# Altium PCB Edison_arduino_5_0826.PcbDoc (part 4 of 6)
Units mm, origin at the board's own origin, x right, y up, seen from the top; angles counter-clockwise.
Board outline 122.25 x 72.01 mm, 4 copper layers (TOP, GND, PWR_GND, BOTTOM), stack 1.567 mm thick; 365 components, 239 nets, 1187 pads, 660 vias.
Unrouted connection lines stored in the file: 40.
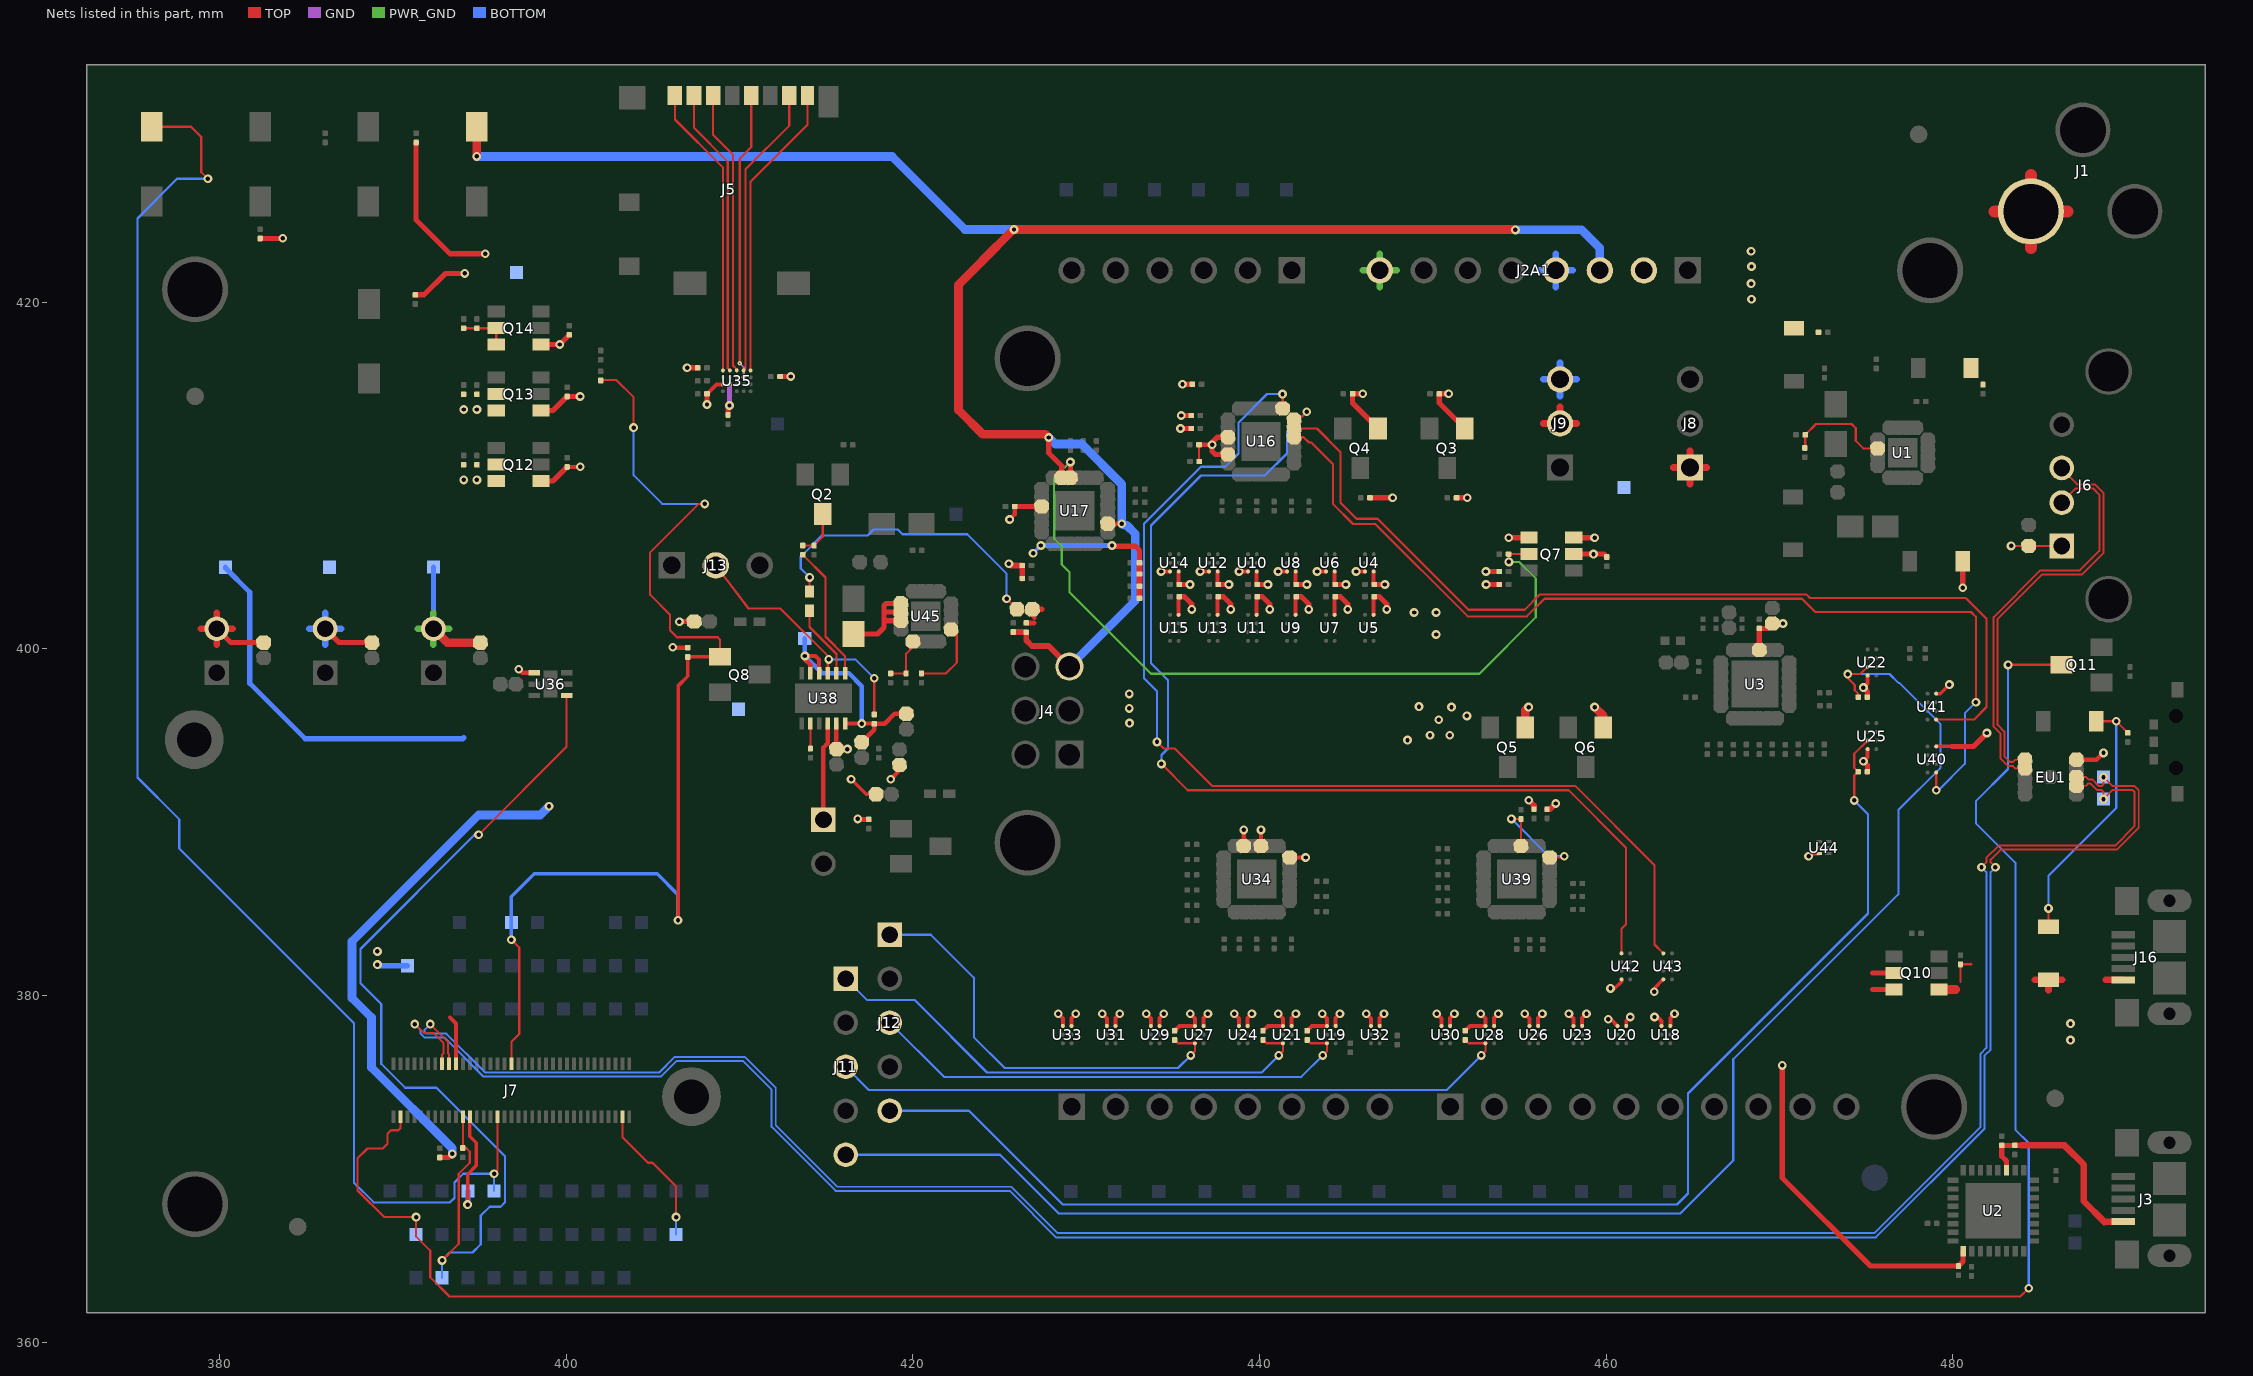
[diagram p6: the nets of this part, all layers, seen from the top]

## Via types
v1: diameter 0.508, hole 0.254, TOP to BOTTOM, 643 vias
v2: diameter 0.254, hole 0.102, TOP to GND, 11 vias
v3: diameter 0.66, hole 0.356, TOP to BOTTOM, 5 vias
v4: diameter 0.483, hole 0.203, TOP to BOTTOM, 1 vias

## Nets (pads, with @x,y where several pads share a name; then routed paths per layer and width w, separated by ;. In a path a pad name is that pad's centre, name@x,y a point inside that pad or via, vN(x,y) a via of type N, cw(c..) or ccw(c..) an arc to the next point about the centre after c; other vN are vias at no path point) (continued)
N30331321: C8.1 R81.2 R115.2 TP84.1 U38.4 U38.5 U38.12 | length 15.1
  TOP w0.25: U38.5@414.087,398.606 414.087,399.087 413.768,399.407 v1(413.768,399.594) 414.383,399.594 414.587,399.39 U38.4@414.587,398.606 ; U38.12@416.089,395.696 v1(417.053,395.696) 417.759,395.696 R81.2@417.771,395.683 ; C8.1@417.048,394.617 417.771,395.34 R81.2@417.771,395.683 ; R115.2@419.623,396.262 418.945,396.262 418.374,395.691 417.779,395.691 R81.2@417.771,395.683
  BOTTOM w0.25: TP84.1@413.768,400.61 v1(413.768,399.594) 414.767,398.595 416.314,398.595 417.053,397.855 v1(417.053,395.696)
N30331325: J13.2 R81.1 U38.3 | length 15
  TOP w0.127: J13.2@408.629,404.821 410.514,402.336 412.353,402.336 415.143,399.546 v1(415.143,399.399) 415.088,399.344 U38.3@415.088,398.606 ; R81.1@417.771,396.217 v1(417.771,398.307)
  BOTTOM w0.127: v1(415.143,399.399) 416.679,399.399 v1(417.771,398.307)
N30331509: R4.2 U38.8 | length 1.4
  TOP w0.127: U38.8@414.087,395.696 414.089,395.059 R4.2@414.089,394.255
N30331521: Q2.3 R5.1 R6.1 | length 2.7
  TOP w0.127: R5.1@413.651,405.968 R6.1@414.3,405.968 414.311,405.979 414.803,406.471 Q2.3@414.803,407.777
N30331562: R5.2 U38.1 | length 7.8
  TOP w0.127: R5.2@413.651,405.435 414.957,404.129 414.957,400.716 416.089,399.584 U38.1@416.089,398.606
N30331635: J2.1 U38.10 | length 5.7
  TOP w0.25: J2.1@414.839,390.144 414.839,394.315 415.088,394.565 U38.10@415.088,395.696
N30331680: C56.2 CR7.2 J1.1 | length 8.4
  TOP w0.7: 482.398,425.248 J1.1@484.507,425.248 ; 484.507,423.14 J1.1@484.507,425.248 ; 484.507,427.357 J1.1@484.507,425.248 ; 486.615,425.248 J1.1@484.507,425.248
N30331714: R1.1 R2.1 U1.14 | length 6.2
  TOP w0.127: R1.1@471.462,411.602 471.49,411.63 R2.1@471.49,412.359 472.107,412.976 474.159,412.976 474.397,412.738 474.397,412.014 474.837,411.573 U1.14@475.665,411.573
N30332962: C53.1 U45.9 | length 4.5
  TOP w0.127: C53.1@420.499,398.591 421.908,398.591 422.531,399.213 422.531,400.991 422.393,401.129 U45.9@422.2,401.129
N30333004: R111.1 R112.2 U45.5 | length 2.9
  TOP w0.127: R112.2@418.721,398.591 R111.1@419.61,398.591 419.61,399.721 420.001,400.113 U45.5@420.001,400.433
N30333010: L2.1 U45.1 U45.2 U45.3 | length 6.2
  TOP w0.3: L2.1@416.562,400.864 417.959,400.864 418.34,401.245 418.34,401.626 ; U45.3@419.305,401.632 418.345,401.632 418.34,401.626 ; U45.2@419.305,402.132 418.342,402.132 418.34,402.134 ; U45.1@419.305,402.632 418.456,402.632 418.34,402.515 418.34,402.134 ; 418.34,401.626 418.34,402.134
N30351958: CR8.1 CR9.1 R97.2 | length 15.6
  TOP w0.127: CR8.1@485.523,383.973 v1(485.522,385.031) ; CR9.1@488.267,395.825 v1(489.427,395.825) 490.09,395.162 R97.2@490.095,395.162
  BOTTOM w0.127: v1(485.522,385.031) 485.522,386.924 489.427,390.829 v1(489.427,395.825)
N30369476: DS3.2 R114.1 | length 18.1
  TOP w0.127: DS3.2@414.03,403.318 414.03,404.12 v1(414.042,404.132) ; v1(425.409,402.897) 426.002,402.304 R114.1@426.002,402.292
  BOTTOM w0.127: v1(414.042,404.132) 413.534,404.64 413.534,405.325 414.759,406.55 417.392,406.55 417.734,406.891 419.133,406.891 419.406,406.618 423.132,406.618 425.409,404.341 v1(425.409,402.897)
N30369490: DS3.1 U38.2 | length 4.2
  TOP w0.127: DS3.1@414.03,402.207 414.03,401.271 415.588,399.713 U38.2@415.588,398.606
OSC_CLK_OUT_0: J7.67 TP61.1 | length 8.2
  TOP w0.127: J7.67@403.239,373.015 403.239,371.842 404.724,370.357 404.978,370.357 406.339,368.996 v1(406.339,367.221)
  BOTTOM w0.127: TP61.1@406.339,366.221 v1(406.339,367.221)
PSW: J7.21 R37.1 TP21.1 U36.4 | length 55.1
  TOP w0.127: v1(392.839,364.721) 393.802,365.684 393.802,369.722 394.437,370.357 394.437,370.992 394.224,371.205 R37.1@394.029,371.205 394.039,371.216 J7.21@394.039,373.015 ; v1(394.945,389.28) 400.019,394.355 U36.4@400.019,397.321
  BOTTOM w0.127: TP21.1@392.839,363.721 v1(392.839,364.721) 393.295,365.177 394.591,365.177 395.072,365.658 395.072,367.309 395.58,367.817 396.215,367.817 396.469,368.071 396.469,370.738 392.521,374.686 390.708,374.686 389.326,376.068 389.326,379.521 388.127,380.72 388.127,382.695 394.712,389.28 v1(394.945,389.28)
PWM0_OUT: J12.1 R91.1 U27.C1 | length 24.9
  TOP w0.127: R91.1@435.102,377.444 435.298,377.248 U27.C1@436.273,377.248 436.273,376.793 v1(436.028,376.549)
  BOTTOM w0.127: J12.1@418.668,383.515 421.03,383.515 423.52,381.025 423.52,377.596 425.298,375.818 435.298,375.818 v1(436.028,376.549)
PWM1_OUT: J11.1 R90.1 U21.C1 | length 29.7
  TOP w0.127: R90.1@440.207,377.444 440.403,377.248 U21.C1@441.353,377.248 441.353,376.793 v1(441.108,376.549)
  BOTTOM w0.127: J11.1@416.128,380.975 417.347,379.755 420.091,379.755 424.282,375.564 440.124,375.564 v1(441.108,376.549)
PWM2_OUT: J12.3 R89.1 U19.C1 | length 28.8
  TOP w0.127: R89.1@442.747,377.444 442.943,377.248 U19.C1@443.893,377.248 443.893,376.793 v1(443.648,376.549)
  BOTTOM w0.127: J12.3@418.668,378.435 421.792,375.31 442.41,375.31 v1(443.648,376.549)
PWM3_OUT: J11.3 R92.1 U28.C1 | length 40.1
  TOP w0.127: R92.1@451.866,377.444 452.062,377.248 U28.C1@453.037,377.248 453.037,376.793 v1(452.792,376.549)
  BOTTOM w0.127: J11.3@416.128,375.895 417.474,374.548 450.792,374.548 v1(452.792,376.549)
PWM4_OUT: J12.5 R94.1 U25.B2 | length 79.8
  TOP w0.127: v1(474.32,391.262) 474.32,392.702 R94.1@474.539,392.921 474.32,393.14 474.32,393.952 U25.B2@475.089,394.721
  BOTTOM w0.127: J12.5@418.668,373.355 423.243,373.355 428.654,367.944 464.091,367.944 464.726,368.579 464.726,374.353 475.109,384.735 475.109,390.473 v1(474.32,391.262)
PWM5_OUT: J11.5 R93.1 U22.B2 | length 93.5
  TOP w0.127: R93.1@474.539,397.221 474.539,397.421 474.339,397.621 474.339,397.921 473.939,398.321 v1(473.939,398.551) 474.669,398.551 U22.B2@475.089,398.971
  BOTTOM w0.127: J11.5@416.128,370.815 425.021,370.815 428.4,367.436 464.287,367.436 467.335,370.484 467.335,376.326 476.86,385.851 476.86,390.704 479.3,393.144 479.3,395.657 476.914,398.043 476.86,398.043 476.352,398.551 v1(473.939,398.551)
RCVR_MODE: J7.31 SW1UI4.1 TP30.1 | length 85.6
  TOP w0.127: SW1UI4.1@376.089,430.13 378.352,430.13 378.943,429.539 378.943,427.507 v1(379.324,427.126) ; v1(395.839,369.721) 396.039,369.922 J7.31@396.039,373.015
  BOTTOM w0.127: v1(379.324,427.126) 377.546,427.126 375.26,424.84 375.26,392.582 377.673,390.169 377.673,388.49 387.756,378.407 387.756,369.204 388.888,368.071 393.294,368.071 393.548,368.325 393.548,369.214 394.055,369.721 v1(395.839,369.721) TP30.1@395.839,368.721
RESETOUT#: J7.36 Q8.1 R85.1 R123.2 TP33.1 | length 64.4
  TOP w0.127: v1(396.839,383.221) 397.289,382.771 397.289,377.782 396.839,377.332 J7.36@396.839,376.072 ; R123.2@401.989,415.489 402.023,415.522 402.889,415.522 403.889,414.522 v1(403.889,412.772) ; v1(407.989,408.372) 407.639,408.372 404.839,405.572 404.839,403.122 405.989,401.972 405.989,401.072 406.389,400.672 408.739,400.672 408.864,400.548 Q8.1@408.864,399.542
  TOP w0.2: v1(406.451,384.353) 406.451,397.866 407.01,398.424 R85.1@407.01,399.542 Q8.1@408.864,399.542
  BOTTOM w0.127: v1(403.889,412.772) 403.889,410.022 405.539,408.372 v1(407.989,408.372)
  BOTTOM w0.2: v1(396.839,383.221) TP33.1@396.839,384.221 396.839,385.713 398.147,387.021 405.259,387.021 406.451,385.829 v1(406.451,384.353)
SD_CLK: J5.5 U35.D3 | length 16.6
  TOP w0.127: v2(410.007,416.484) 410.007,428.295 410.672,428.96 J5.5@410.672,431.928
  GND w0.127: v2(410.007,416.484) 410.239,416.252 v2(410.239,415.672)
SD_CMD: J5.3 U35.C4 | length 16.4
  TOP w0.127: J5.3@408.472,431.928 408.472,429.677 409.626,428.523 409.626,416.357 409.839,416.144 U35.C4@409.839,416.072
SD_DAT0: J5.7 U35.D4 | length 16.9
  TOP w0.127: U35.D4@410.239,416.072 410.337,416.17 410.337,427.66 412.872,430.195 J5.7@412.872,431.928
SD_DAT1: J5.8 U35.E4 | length 17.2
  TOP w0.127: U35.E4@410.639,416.072 410.639,426.971 413.922,430.254 J5.8@413.922,431.928
SD_DAT2: J5.1 U35.A4 | length 17
  TOP w0.127: J5.1@406.272,431.928 406.272,430.553 409.039,427.787 U35.A4@409.039,416.072
SD_DAT3: J5.2 U35.B4 | length 16.7
  TOP w0.127: J5.2@407.372,431.928 407.372,430.066 409.321,428.117 409.321,416.189 U35.B4@409.439,416.072
SHLD_RESET: C34.1 J2A1.3 J4.5 R19.1 SW1UI1.1 U17.8 U17.17 | length 113.3
  TOP w0.25: U17.8@431.244,407.221 v1(432.049,407.221)
  TOP w0.3: v1(427.838,412.204) 427.838,411.315 428.589,410.564 U17.17@428.589,409.877
  TOP w0.33: C34.1@425.79,400.976 426.289,400.976 426.293,400.973 R19.1@426.539,400.972 426.539,400.502 426.869,400.172 427.842,400.172 J4.5@429.031,398.983
  TOP w0.5: v1(394.839,428.417) SW1UI1.1@394.839,430.13 ; v1(427.838,412.204) 427.648,412.394 424.028,412.394 422.631,413.791 422.631,421.013 423.973,422.355 423.973,422.372 425.806,424.205 v1(425.833,424.205) 454.736,424.205 v1(454.762,424.18)
  BOTTOM w0.5: v1(394.839,428.417) 418.8,428.417 423.012,424.205 v1(425.833,424.205) ; v1(427.838,412.204) 428.219,411.823 429.743,411.823 432.056,409.51 v1@432.056,407.228 ; J4.5@429.031,398.983 432.839,402.791 432.839,406.634 432.339,407.134 432.227,407.134 432.189,407.172 432.112,407.172 v1@432.056,407.228 ; v1(432.049,407.221) v1@432.056,407.228 ; v1(454.762,424.18) 458.597,424.18 459.638,423.139 J2A1.3@459.638,421.843
SPI_CLK_SEL: U16.13 U43.D2 | length 62.8
  TOP w0.127: v1(434.088,394.641) 434.469,394.26 435.104,394.26 437.263,392.101 458.218,392.101 462.79,387.529 462.79,382.949 U43.D2@463.302,382.437 ; v1(441.327,414.707) 441.339,414.695 U16.13@441.339,413.877
  BOTTOM w0.127: v1(434.088,394.641) 434.088,397.562 433.339,398.311 433.339,407.228 436.628,410.516 438.025,410.516 438.787,411.278 438.787,413.056 440.438,414.707 v1(441.327,414.707)
SPI_FS_SEL: U16.10 U40.D2 | length 57.9
  TOP w0.127: U16.10@441.994,412.221 442.543,412.221 442.851,411.913 442.978,411.913 444.248,410.643 444.248,408.357 445.391,407.214 446.685,407.214 452.019,401.88 455.424,401.88 456.44,402.896 471.299,402.896 472.061,402.134 481.052,402.134 481.332,401.855 v1(481.332,396.927) ; v1(479.042,391.847) U40.D2@479.042,392.875
  BOTTOM w0.127: v1(479.042,391.847) 479.173,391.847 480.697,393.371 480.697,396.292 v1(481.332,396.927)
SPI_RXD_SEL: U16.12 U42.D2 | length 62.7
  TOP w0.127: v1(434.342,393.371) 435.866,391.847 457.837,391.847 461.139,388.545 461.139,384.1 460.889,383.85 U42.D2@460.889,382.437 ; U16.12@441.994,413.221 442.254,413.221 v1(442.724,413.691)
  BOTTOM w0.127: v1(434.342,393.371) 434.342,393.879 434.723,394.26 434.723,398.197 433.739,399.181 433.739,407.12 436.628,410.008 440.311,410.008 441.581,411.278 441.581,412.548 v1(442.724,413.691)
SPI_TXD_SEL: U16.11 U41.D2 | length 55.2
  TOP w0.127: U16.11@441.994,412.721 443.312,412.721 444.675,411.359 444.675,408.438 445.598,407.514 446.807,407.514 452.06,402.261 455.297,402.261 456.186,403.15 471.553,403.15 471.761,402.942 480.75,402.942 481.947,401.745 481.947,396.652 481.219,395.923 U41.D2@479.042,395.923
TRI_STATE_ALL: Q7.5 R35.2 U17.16 | length 45.2
  TOP w0.127: v1(454.389,405.022) 454.372,405.04 R35.2@454.372,405.471 Q7.5@455.544,405.471
  TOP w0.3: U17.16@429.089,409.877 v1(429.089,410.788)
  PWR_GND w0.127: v1(429.089,410.788) 428.139,409.839 428.139,408.91 428.155,408.895 428.155,406.357 428.595,405.917 428.595,404.872 429.039,404.428 429.039,403.272 433.739,398.572 452.689,398.572 455.939,401.822 455.939,404.072 454.989,405.022 v1(454.389,405.022)
USB_DN: EU1.7 J7.18 TP16.1 | length 133.9
  TOP w0.112: v1(392.151,378.358) 393.168,377.341 393.168,376.674 393.239,376.603 J7.18@393.239,376.072 ; v1(481.658,387.402) 481.94,387.684 481.94,387.941 482.656,388.657 489.361,388.657 490.491,389.787 490.491,391.748 490.377,391.863 489.206,391.863 v1@488.698,391.355 ; EU1.7@487.129,392.11 487.699,392.11 487.829,392.24 487.944,392.24 488.329,391.856 488.586,391.856 488.698,391.744 v1@488.698,391.355 ; v1(488.698,391.341) v1@488.698,391.355
  BOTTOM w0.112: v1(392.151,378.358) 391.826,378.033 391.826,377.921 391.937,377.81 393.08,377.81 395.326,375.564 405.359,375.564 406.259,376.465 410.3,376.465 412.09,374.675 412.09,372.527 415.645,368.972 425.678,368.972 428.356,366.293 475.463,366.293 481.601,372.432 481.601,376.65 481.94,376.988 481.94,387.121 v1(481.658,387.402)
USB_DP: EU1.8 J7.16 TP14.1 | length 135.7
  TOP w0.112: v1(391.262,378.358) 391.77,377.85 392.321,377.85 392.929,377.242 392.929,376.689 392.839,376.599 J7.16@392.839,376.072 ; v1(482.46,387.402) 482.178,387.684 482.178,387.842 482.755,388.418 489.46,388.418 490.73,389.688 490.73,391.847 490.476,392.101 489.206,392.101 v1(488.698,392.609) 488.698,392.206 488.586,392.094 488.428,392.094 488.043,392.479 487.829,392.479 487.698,392.609 EU1.8@487.129,392.609
  BOTTOM w0.112: v1(391.262,378.358) 391.587,378.033 391.587,377.823 391.838,377.571 392.981,377.571 395.227,375.326 405.458,375.326 406.358,376.226 410.201,376.226 411.851,374.576 411.851,372.428 415.546,368.733 425.579,368.733 428.257,366.055 475.562,366.055 481.84,372.333 481.84,376.551 482.178,376.889 482.178,387.121 v1(482.46,387.402)
USB_ID: J7.3 Q11.3 TP4.1 | length 148.9
  TOP w0.127: J7.3@390.439,373.015 390.439,372.364 390.312,372.237 389.89,372.237 389.687,372.034 389.687,371.45 389.42,371.183 388.531,371.183 387.96,370.611 387.96,368.757 389.495,367.221 v1(391.339,367.221) 391.339,366.089 392.151,365.277 392.151,363.753 393.267,362.637 480.751,362.637 483.899,362.637 v1(484.38,363.118) ; v1(483.193,399.084) Q11.3@486.285,399.084
  BOTTOM w0.127: TP4.1@391.339,366.221 v1(391.339,367.221) ; v1(483.193,399.084) 483.19,399.082 483.19,393.071 481.332,391.212 481.332,389.942 483.612,387.662 483.612,372.264 484.38,371.496 v1(484.38,363.118)
USBA_CONN_DN: EU1.2 J6.2 | length 23.6
  TOP w0.112: EU1.2@484.17,393.109 483.601,393.109 483.47,393.24 483.213,393.24 482.744,393.709 482.744,395.129 482.352,395.521 482.352,401.842 485.043,404.532 487.329,404.532 488.459,405.662 488.459,408.893 488.091,409.262 487.102,409.262 J6.2@486.285,408.445
USBA_CONN_DP: EU1.1 J6.3 | length 23.6
  TOP w0.112: EU1.1@484.17,393.609 483.601,393.609 483.47,393.479 483.312,393.479 482.983,393.808 482.983,395.228 482.591,395.62 482.591,401.743 485.142,404.293 487.428,404.293 488.698,405.563 488.698,408.992 488.19,409.5 487.174,409.5 486.285,410.389 J6.3@486.285,410.445
V_1P80: C10.2 C13.1 C14.2 C15.2 C16.2 C17.2 C18.2 C19.2 C20.2 C22.2 C31.2 J15.2 Q3.1 Q4.1 Q5.1 Q6.1 Q13.4 R36.2 R39.2 R40.2 R43.2 R44.2 R45.1 R46.1 R47.2 R82.1 R85.2 R87.2 R89.2 R90.2 R91.2 R92.2 R93.2 R94.2 R102.1 TP11.1 U2.1 U3.21 U4.A1 U6.A1 U8.A1 U10.A1 U12.A1 U14.A1 U18.A1 U19.A1 U20.A1 U21.A1 U22.A2 U23.A1 U24.A1 U25.A2 U26.A1 U27.A1 U28.A1 U29.A1 U30.A1 U31.A1 U32.A1 U33.A1 U35.A2 U40.A2 U41.A2 U42.A2 U43.A2 U44.6 | length 116.2
  TOP w0.2: v1(460.25,380.417) 460.504,380.417 460.889,380.802 U42.A2@460.889,380.937 ; v1(462.776,380.227) 462.79,380.227 462.79,380.425 U43.A2@463.302,380.937 ; v1(471.68,388.037) 471.838,388.195 U44.6@472.294,388.195 ; U40.A2@479.042,394.375 479.947,394.375 ; U41.A2@479.042,397.423 479.288,397.423 v1(479.808,397.943)
  TOP w0.23: C31.2@408.122,414.721 408.672,415.271 U35.A2@409.039,415.271 ; v1(428.384,378.949) 428.653,378.68 U33.A1@428.653,378.249 ; v1(430.924,378.949) 431.193,378.68 U31.A1@431.193,378.249 ; v1(433.464,378.949) 433.733,378.68 U29.A1@433.733,378.249 ; R91.2@435.102,377.977 435.374,378.249 U27.A1@436.273,378.249 436.273,378.68 v1(436.004,378.949) ; U14.A1@435.34,404.471 435.34,403.753 C20.2@435.372,403.721 ; U12.A1@437.59,404.471 437.59,403.753 C19.2@437.622,403.721 ; v1(438.544,378.949) 438.813,378.68 U24.A1@438.813,378.249 ; U10.A1@439.84,404.471 439.84,403.753 C18.2@439.872,403.721 ; R90.2@440.207,377.977 440.479,378.249 U21.A1@441.353,378.249 441.353,378.68 v1(441.084,378.949) ; U8.A1@442.09,404.471 442.09,403.753 C17.2@442.122,403.721 ; R89.2@442.747,377.977 443.019,378.249 U19.A1@443.893,378.249 443.893,378.68 v1(443.624,378.949) ; U6.A1@444.34,404.471 444.34,403.753 C16.2@444.372,403.721 ; v1(446.164,378.949) 446.433,378.68 U32.A1@446.433,378.249 ; U4.A1@446.59,404.471 446.59,403.753 C15.2@446.622,403.721 ; v1(450.228,378.949) 450.497,378.68 U30.A1@450.497,378.249 ; R92.2@451.866,377.977 452.138,378.249 U28.A1@453.037,378.249 453.037,378.68 v1(452.768,378.949) ; v1(455.308,378.949) 455.577,378.68 U26.A1@455.577,378.249 ; v1(457.848,378.949) 458.117,378.68 U23.A1@458.117,378.249 ; v1(460.123,378.639) 460.267,378.639 U20.A1@460.657,378.249 ; v1(462.79,378.766) 462.967,378.766 463.197,378.536 U18.A1@463.197,378.249 ; v1(474.841,393.522) 475.089,393.769 U25.A2@475.089,394.221 ; v1(474.841,397.772) 475.089,398.019 U22.A2@475.089,398.471
  TOP w0.25: v1(406.148,400.102) 406.175,400.075 R85.2@407.01,400.075
  TOP w0.3: R47.2@382.339,423.688 383.632,423.688 v1(383.642,423.697) ; R36.2@392.706,370.66 393.215,370.66 v1(393.421,370.865) ; Q13.4@398.553,413.757 399.241,413.757 R102.1@400.052,414.568 v1(400.801,414.568) ; v1(406.974,416.221) R45.1@407.589,416.221 ; v1(408.122,414.106) C31.2@408.122,414.721 ; R46.1@412.339,415.721 v1(412.954,415.721) ; v1(416.816,390.196) 416.843,390.169 R87.2@417.457,390.169 ; C20.2@435.372,403.721 v1(435.987,403.721) ; v1(435.44,412.721) R43.2@436.055,412.721 ; v1(435.485,413.471) R44.2@436.055,413.471 ; v1(435.555,415.272) C22.2@436.125,415.272 ; C19.2@437.622,403.721 v1(438.237,403.721) ; C18.2@439.872,403.721 v1(440.487,403.721) ; C17.2@442.122,403.721 v1(442.737,403.721) ; C16.2@444.372,403.721 v1(444.987,403.721) ; v1(445.958,414.721) R40.2@445.372,414.721 445.372,414.188 Q4.1@446.839,412.721 ; C15.2@446.622,403.721 v1(447.237,403.721) ; v1(450.911,414.721) R39.2@450.372,414.721 450.372,414.188 Q3.1@451.839,412.721 ; U3.21@468.839,399.946 C14.2@468.839,401.188 469.305,401.188 C13.1@469.589,401.471 v1(470.204,401.471) ; v1(470.156,375.972) 470.156,369.495 475.257,364.394 C10.2@480.328,364.394 480.597,364.664 U2.1@480.597,365.256 ; v1(474.841,393.522) 475.072,393.291 R94.2@475.072,392.921 ; v1(474.841,397.772) 475.072,397.541 R93.2@475.072,397.221 ; 479.947,394.375 481.193,394.375 v1(481.967,395.149)
  TOP w0.5: J15.2@392.339,401.171 393.145,400.365 R82.1@395.046,400.365 ; Q5.1@455.339,395.471 455.339,396.461 v1(455.524,396.646) ; v1(459.334,396.646) 459.839,396.141 Q6.1@459.839,395.471
  PWR_GND w0.381: 391.424,401.171 J15.2@392.339,401.171 ; 392.339,400.257 J15.2@392.339,401.171 ; 392.339,402.086 J15.2@392.339,401.171 ; 393.253,401.171 J15.2@392.339,401.171
  BOTTOM w0.3: J15.2@392.339,401.171 TP11.1@392.339,404.723
  BOTTOM w0.5: v1(393.421,370.865) 393.421,371.198 388.762,375.857 388.762,378.74 387.643,379.86 387.643,383.122 394.945,390.423 398.501,390.423 v1(399.009,390.931)
V_1P80_IO: C21.2 C50.2 Q13.2 Q13.3 R107.1 R122.2 U16.21 U16.23 U34.18 U34.21 U34.23 | length 7.1
  TOP w0.127: C21.2@436.513,411.786 436.513,410.832 R122.2@436.523,410.822
  TOP w0.25: C21.2@436.513,411.786 v1(437.263,411.786) ; U34.23@439.089,388.627 v1(439.089,389.561) ; U34.21@440.089,388.627 v1(440.089,389.561) ; U34.18@441.744,387.971 v1(442.658,387.971)
  TOP w0.3: U16.23@438.183,411.221 437.447,411.221 437.263,411.405 v1(437.263,411.786) 437.263,411.913 437.571,412.221 U16.21@438.183,412.221
  other v1: 394.083,413.818 394.845,413.818
V_3P30: EU1.10 J2A1.4 J9.3 J14.2 R83.1 TP7.1 TP9.1 | length 16.2
  TOP w0.25: EU1.10@487.129,393.609 488.3,393.609 v1(488.698,394.006)
  TOP w0.3: J14.2@386.089,401.171 386.895,400.365 R83.1@388.796,400.365
  BOTTOM w0.381: 385.174,401.171 J14.2@386.089,401.171 ; 386.089,400.257 J14.2@386.089,401.171 ; 386.089,402.086 J14.2@386.089,401.171 ; 387.003,401.171 J14.2@386.089,401.171 ; 456.133,421.843 J2A1.4@457.098,421.843 ; 456.373,415.551 J9.3@457.339,415.551 ; 457.098,420.878 J2A1.4@457.098,421.843 ; 457.098,422.809 J2A1.4@457.098,421.843 ; 457.339,414.586 J9.3@457.339,415.551 ; 457.339,416.517 J9.3@457.339,415.551 ; 458.064,421.843 J2A1.4@457.098,421.843 ; 458.304,415.551 J9.3@457.339,415.551
V_SHIELD: C23.2 C24.2 C25.2 C28.2 C29.2 C30.2 J2A1.2 J8.1 J9.2 Q7.4 Q12.4 R12.1 R19.2 R34.1 R41.2 R42.2 R100.1 R114.2 U5.A2 U7.A2 U9.A2 U11.A2 U13.A2 U15.A2 | length 29.1
  TOP w0.225: R114.2@426.891,402.292 426.891,401.919 427.013,401.796
  TOP w0.23: U15.A2@435.339,401.971 435.339,402.983 C23.2@435.372,403.016 ; U13.A2@437.589,401.971 437.589,402.983 C24.2@437.622,403.016 ; U11.A2@439.839,401.971 439.839,402.983 C28.2@439.872,403.016 ; U9.A2@442.089,401.971 442.089,402.983 C30.2@442.122,403.016 ; U7.A2@444.339,401.971 444.339,402.983 C29.2@444.372,403.016 ; U5.A2@446.589,401.971 446.589,402.983 C25.2@446.622,403.016
  TOP w0.25: R100.1@400.052,410.504 400.801,410.504 v1(400.814,410.516)
  TOP w0.3: Q12.4@398.553,409.693 399.241,409.693 R100.1@400.052,410.504 ; R19.2@426.539,401.506 426.973,401.506 ; R114.2@426.891,402.292 427.427,402.292 427.43,402.295 ; C23.2@435.372,403.016 435.666,403.016 436.093,402.589 v1(436.093,402.285) ; C24.2@437.622,403.016 437.915,403.016 438.343,402.589 v1(438.343,402.285) ; C28.2@439.872,403.016 440.166,403.016 440.593,402.589 v1(440.593,402.285) ; C30.2@442.122,403.016 442.416,403.016 442.843,402.589 v1(442.843,402.285) ; C29.2@444.372,403.016 444.666,403.016 445.093,402.589 v1(445.093,402.285) ; R42.2@446.372,408.721 v1(447.677,408.721) ; C25.2@446.622,403.016 446.915,403.016 447.343,402.589 v1(447.343,402.285) ; R41.2@451.372,408.721 v1(451.987,408.721) ; v1(453.062,404.471) R12.1@453.839,404.471 ; v1(453.074,403.721) R34.1@453.839,403.721 ; v1(454.385,406.421) Q7.4@455.544,406.421
  TOP w0.381: 456.373,413.011 J9.2@457.339,413.011 ; 457.339,413.977 J9.2@457.339,413.011 ; 458.304,413.011 J9.2@457.339,413.011 ; 463.873,410.471 J8.1@464.839,410.471 ; 464.839,409.506 J8.1@464.839,410.471 ; 464.839,411.437 J8.1@464.839,410.471 ; 465.804,410.471 J8.1@464.839,410.471
  other v1: 448.539,394.741 449.836,395.022 450.979,395.022 432.501,395.721 450.344,395.911 451.968,396.138 432.487,396.569 451.079,396.646 449.201,396.673 432.487,397.406 450.19,400.837 448.92,402.107 450.19,402.107
V_SHIELD_SW: Q7.2 Q7.3 R125.2 U4.A2 U6.A2 U8.A2 U10.A2 U12.A2 U14.A2 U18.A2 U19.A2 U20.A2 U21.A2 U23.A2 U24.A2 U26.A2 U27.A2 U28.A2 U29.A2 U30.A2 U31.A2 U32.A2 U33.A2 | length 17.3
  TOP w0.23: U33.A2@429.156,378.249 429.156,378.704 v1(429.4,378.949) ; U31.A2@431.696,378.249 431.696,378.704 v1(431.94,378.949) ; U29.A2@434.236,378.249 434.236,378.704 v1(434.48,378.949) ; v1(434.323,404.471) U14.A2@434.837,404.471 ; v1(436.573,404.471) U12.A2@437.087,404.471 ; U27.A2@436.776,378.249 436.776,378.704 v1(437.02,378.949) ; v1(438.823,404.471) U10.A2@439.337,404.471 ; U24.A2@439.316,378.249 439.316,378.704 v1(439.56,378.949) ; v1(441.073,404.471) U8.A2@441.587,404.471 ; U21.A2@441.856,378.249 441.856,378.704 v1(442.1,378.949) ; v1(443.323,404.471) U6.A2@443.837,404.471 ; U19.A2@444.396,378.249 444.396,378.704 v1(444.64,378.949) ; v1(445.573,404.471) U4.A2@446.087,404.471 ; U32.A2@446.936,378.249 446.936,378.704 v1(447.18,378.949) ; U30.A2@451,378.249 451,378.704 v1(451.244,378.949) ; U28.A2@453.54,378.249 453.54,378.704 v1(453.784,378.949) ; U26.A2@456.08,378.249 456.08,378.704 v1(456.324,378.949) ; U23.A2@458.62,378.249 458.62,378.704 v1(458.864,378.949) ; U20.A2@461.16,378.249 461.16,378.536 461.39,378.766 v1(461.393,378.766) ; U18.A2@463.7,378.249 463.7,378.704 v1(463.944,378.949)
  TOP w0.3: Q7.2@458.134,405.471 v1(459.272,405.471) 459.874,405.471 R125.2@460.039,405.306 ; Q7.3@458.134,406.421 v1(459.334,406.421)
V_SHLD_IO: C26.2 C27.2 C51.2 Q12.2 Q12.3 R50.2 R51.2 R108.1 R116.2 R117.2 R118.2 R119.2 R120.2 R121.2 U17.21 U39.18 U39.21 | length 21.4
  TOP w0.127: v1(425.539,404.922) v1@425.639,404.822 ; v1(454.535,390.196) 454.543,390.188 C27.2@455.089,390.188 U39.21@455.089,388.627 ; U39.18@456.744,387.971 457.517,387.971 v1(457.583,388.037)
  TOP w0.25: v1(425.579,407.468) 425.872,407.762 C26.2@425.872,408.221
  TOP w0.3: C26.2@425.872,408.221 U17.21@427.433,408.221 ; v1(431.489,405.972) 431.539,405.922 432.839,405.922 433.073,405.689 R121.2@433.073,404.972
  TOP w0.33: v1@425.639,404.822 R116.2@426.306,404.822 R117.2@426.306,404.072 ; R118.2@433.073,402.922 R119.2@433.073,403.622 R120.2@433.073,404.322 R121.2@433.073,404.972 ; v1(455.539,391.272) 455.839,390.973 R50.2@455.839,390.755 ; R51.2@456.589,390.755 456.759,390.755 v1(457.089,391.085)
  BOTTOM w0.127: v1(454.535,390.196) 456.694,388.037 v1(457.583,388.037)
  BOTTOM w0.225: v1(426.939,405.522) v1(427.389,405.972)
  BOTTOM w0.3: v1(427.389,405.972) v1(431.489,405.972)
  other v1: 394.083,409.754 394.845,409.754
V_SYS: C5.1 C32.2 Q14.4 R48.1 R86.2 R88.2 R104.1 R105.1 R113.2 TP1.1 TP3.1 TP5.1 U35.B2 U38.11 | length 43.1
  TOP w0.2: v1(416.435,392.482) 417.3,391.617 R88.2@417.881,391.617
  TOP w0.25: C5.1@415.588,394.222 U38.11@415.588,395.696 ; v1(418.721,392.482) 419.229,392.99 R113.2@419.229,393.308
  TOP w0.3: R105.1@391.289,420.435 391.802,420.435 393.039,421.672 v1(394.139,421.672) ; R48.1@391.339,429.221 391.339,424.763 393.294,422.808 v1(395.326,422.808) ; Q14.4@398.553,417.567 v1(399.622,417.567) R104.1@400.179,418.124 ; v1(406.529,401.574) 406.534,401.579 R86.2@407.386,401.579 ; C32.2@409.339,413.505 409.339,413.961 v1(409.423,414.045) ; C5.1@415.589,394.221 v1(416.224,394.221)
  GND w0.3: v1(409.423,414.045) 409.423,415.255 v2(409.439,415.271)
  BOTTOM w0.3: TP3.1@380.339,404.721 380.339,404.673 381.739,403.272 381.739,398.022 384.939,394.822 394.039,394.822 394.089,394.872
V_SYSTEM: C49.2 J10.2 Q14.2 Q14.3 R84.1 R106.1 | length 9.5
  TOP w0.127: C49.2@394.083,418.505 R106.1@394.845,418.505 395.95,418.505 Q14.2@395.963,418.517 Q14.3@395.963,417.567
  TOP w0.3: J10.2@379.839,401.171 380.645,400.365 R84.1@382.546,400.365
  TOP w0.381: 378.924,401.171 J10.2@379.839,401.171 ; 379.839,400.257 J10.2@379.839,401.171 ; 379.839,402.086 J10.2@379.839,401.171 ; 380.753,401.171 J10.2@379.839,401.171
V_VBAT_BKUP: J7.23 TP23.1 | length 6.2
  TOP w0.203: v1(394.31,367.944) 394.31,369.692 394.818,370.2 394.818,371.5 394.439,371.879 J7.23@394.439,373.015
  BOTTOM w0.3: v1(394.31,367.944) 394.339,367.973 TP23.1@394.339,368.721
VBUS: CR1.2 J7.20 Q10.2 Q10.3 TP18.1 | length 8.6
  TOP w0.203: 393.294,378.739 393.639,378.394 J7.20@393.639,376.072
  TOP w0.3: 475.363,380.356 Q10.3@476.608,380.356 ; 475.363,381.306 Q10.2@476.608,381.306 ; v1(480.57,403.531) CR1.2@480.57,405.055
  BOTTOM w0.3: v1(389.103,381.787) 389.169,381.721 TP18.1@390.839,381.721
  other v1: 486.793,377.435 486.793,378.385 389.103,382.549
VBUS_2: C9.2 J3.1 R8.1 U2.19 | length 11.6
  TOP w0.3: U2.19@483.097,369.925 483.097,370.465 482.828,370.734 C9.2@482.828,371.36 R8.1@483.578,371.36
  TOP w0.33: R8.1@483.578,371.36 483.989,371.36
  TOP w0.381: 483.989,371.36 486.447,371.36 487.555,370.252 487.555,368.132 488.75,366.937 J3.1@489.833,366.959
VBUS_IN: CR8.2 J16.1 Q10.4 R96.1 | length 5.9
  TOP w0.127: 480.443,380.798 R96.1@480.443,381.802 480.455,381.814 481.078,381.814
  TOP w0.381: 484.722,380.925 CR8.2@485.523,380.925 ; 485.523,380.303 CR8.2@485.523,380.925 ; 486.323,380.925 CR8.2@485.523,380.925 ; 488.816,380.921 488.825,380.911 J16.1@489.833,380.911
  TOP w0.5: Q10.4@479.198,380.356 480.17,380.356 480.178,380.348
VBUS_OUT: C36.1 J6.1 U36.1 | length 3.9
  TOP w0.127: v1(483.364,405.944) C36.1@484.38,405.944 J6.1@486.285,405.944
  TOP w0.25: v1(397.258,398.832) 397.469,398.621 U36.1@398.158,398.621
VIN: C57.2 CR6.2 J2A1.8 | length 3.9
  PWR_GND w0.381: 445.973,421.843 J2A1.8@446.938,421.843 ; 446.938,420.878 J2A1.8@446.938,421.843 ; 446.938,422.809 J2A1.8@446.938,421.843 ; 447.904,421.843 J2A1.8@446.938,421.843
  other v1: 468.386,420.182 468.364,421.08 468.386,422.067 468.364,422.943
pads on no net: J1.3 J2A1.1 J3.4 J7.29 J7.38 J7.40 J7.49 J13.1 J16.4 MTG6.1 SW1.5 SW1.6 U1.4 U2.3 U2.5 U2.6 U2.7 U2.8 U2.9 U2.10 U2.11 U2.12 U2.13 U2.21 U2.22 U2.23 U2.25 U2.27 U2.28 U2.29 U2.31 U2.32 U3.6 U3.7 U3.22 U3.25 U16.7 U16.8 U16.14 U16.15 U16.16 U16.17 U16.22 U17.7 U34.22 U38.7 U38.9 U39.16 U39.17 U39.22 U44.5 U45.4
copper on no net: | length 12.3
  TOP w0.152: 491.339,407.045 491.339,408.34 493.117,408.34 493.117,407.045 492.635,407.045 491.339,407.045
  PWR_GND w0.152: 491.339,410.398 491.339,411.693 493.117,411.693 493.117,410.398 492.635,410.398 491.339,410.398
  other v3: 420.753,401.88 477.113,411.322
  other v4: 399.089,397.971

## Polygon pours and split planes (outlines as drawn)
no net on Bottom Solder " " (solid, shelved): 373.369,363.133 380.506,363.133 380.506,365.19 373.369,365.19 373.369,363.133
no net on Top Solder " " (solid, shelved): 373.369,363.133 380.506,363.133 380.506,365.19 373.369,365.19 373.369,363.133
no net on Bottom Overlay (solid): 428.534,374.914 429.042,376.184 428.026,376.184 428.534,374.914
no net on Bottom Overlay (solid): 430.54,393.817 431.81,393.309 431.81,394.325 430.54,393.817
no net on Bottom Overlay (solid): 437.708,363.743 437.2,362.473 438.216,362.473 437.708,363.743
no net on Bottom Overlay (solid): 441.742,422.971 442.25,424.241 441.234,424.241 441.742,422.971
no net on Bottom Overlay (solid): 450.962,374.736 451.47,376.006 450.454,376.006 450.962,374.736
no net on Bottom Overlay (solid): 464.729,422.641 465.237,423.911 464.221,423.911 464.729,422.641
GND on TOP (solid, pour order 110): 475.998,426.391 481.078,426.391 481.078,420.295 480.162,419.379 476.479,419.379 474.955,420.903 474.955,425.348 475.998,426.391
GND on TOP (solid, pour order 108): 17 vertices, not listed, extent 417.509,403.871 420.332,407.705
GND on TOP (solid, pour order 104): 396.623,411.405 396.496,411.278 395.226,411.278 394.972,411.024 393.829,411.024 393.702,411.151 393.702,412.04 393.829,412.167 396.496,412.167 396.623,412.04 396.623,411.405
GND on TOP (solid, pour order 102): 396.623,415.469 396.496,415.342 395.226,415.342 394.972,415.088 393.829,415.088 393.702,415.215 393.702,416.104 393.829,416.231 396.496,416.231 396.623,416.104 396.623,415.469
GND on TOP (solid, pour order 100): 396.623,419.279 396.496,419.152 395.226,419.152 394.972,418.898 393.829,418.898 393.702,419.025 393.702,419.914 393.829,420.041 396.496,420.041 396.623,419.914 396.623,419.279
GND on TOP (solid, pour order 98): 65 vertices, not listed, extent 388.366,368.097 392.963,373.329
GND on TOP (solid, pour order 96): 388.902,371.568 387.873,372.597 387.873,373.259 388.004,373.389 389.513,373.389 389.753,373.149 389.753,372.449 389.467,372.162 389.467,371.766 389.269,371.568 388.902,371.568
GND on TOP (solid, pour order 94): 19 vertices, not listed, extent 472.736,410.028 475.763,412.176
VBUS on TOP (solid, pour order 90): 388.876,383.084 390.273,383.084 393.702,379.655 393.702,378.639 393.575,378.512 392.94,378.512 392.559,378.893 391.543,378.893 388.622,381.814 388.622,382.83 388.876,383.084
VBUS on TOP (solid, pour order 88): 474.601,381.56 475.871,381.56 475.871,379.528 475.998,379.401 487.047,379.401 487.936,378.512 487.936,376.988 487.555,376.607 476.125,376.607 474.347,378.385 474.347,381.306 474.601,381.56
N30331038 on TOP (solid, pour order 86): 25 vertices, not listed, extent 475.376,406.391 477.535,410.074
V_SHIELD on TOP (solid, pour order 80): 152 vertices, not listed, extent 447.266,403.061 465.939,414.528
V_SHIELD on TOP (solid, pour order 76): 23 vertices, not listed, extent 426.801,395.05 433.367,402.766
N30057609 on TOP (solid, pour order 70): 464.085,399.085 464.085,399.476 464.083,399.476 464.083,400.71 466.928,400.71 466.928,399.085 465.593,399.085 465.593,399.09 465.084,399.09 465.084,399.085 464.085,399.085
VIN on TOP (solid, pour order 64): 472.415,418.109 470.383,418.109 470.383,419.16 469.692,419.85 468.147,419.85 467.854,420.143 467.854,423.124 468.047,423.316 470.637,423.316 472.415,421.538 472.415,418.109
N30331073 on TOP (solid, pour order 62): 19 vertices, not listed, extent 470.283,405.309 474.834,409.391
5V on TOP (solid, pour order 58): 178 vertices, not listed, extent 418.821,392.709 477.903,430.047
5V on TOP (solid, pour order 54): 463.552,401.626 463.552,400.356 461.266,400.356 460.758,400.864 460.758,402.388 462.79,402.388 463.552,401.626
N30331680 on TOP (solid, pour order 42): 481.485,415.088 481.078,415.088 480.67,415.496 480.67,418.236 481.84,419.406 481.84,427.026 482.475,427.661 486.158,427.661 488.036,425.783 488.036,421.284 481.842,415.091 481.485,415.091 481.485,415.088
N30330904 on TOP (solid, pour order 40): 31 vertices, not listed, extent 470.536,413.363 478.26,416.607
N30126894 on TOP (solid, pour order 34): 85 vertices, not listed, extent 384.912,375.717 391.77,399.821
N30126876 on TOP (solid, pour order 32): 25 vertices, not listed, extent 378.435,376.707 390.88,399.821
V_1P80_IO on TOP (solid, pour order 26): 393.829,413.31 393.702,413.437 393.702,414.707 393.803,414.809 395.087,414.809 395.113,414.834 395.353,414.834 395.48,414.961 396.496,414.961 396.623,414.834 396.623,413.437 396.496,413.31 393.829,413.31
V_SHLD_IO on TOP (solid, pour order 20): 393.829,409.246 393.702,409.373 393.702,410.643 393.803,410.745 395.087,410.745 395.113,410.77 395.226,410.77 395.353,410.897 396.496,410.897 396.623,410.77 396.623,409.373 396.496,409.246 393.829,409.246
V_SYSTEM on TOP (solid, pour order 18): 31 vertices, not listed, extent 378.439,400.101 396.623,418.771
4.38V on TOP (solid, pour order 12): 416.947,405.395 417.184,405.157 417.184,403.883 417.846,403.221 417.846,402.859 417.347,402.36 415.785,402.36 415.398,402.747 415.398,405.095 415.698,405.395 416.947,405.395
VBUS_IN on TOP (solid, pour order 10): 23 vertices, not listed, extent 479.845,380.1 489.007,382.047
GND on BOTTOM (solid, pour order 106): 475.209,427.253 481.178,427.253 481.432,426.999 481.432,419.76 478.638,416.966 474.955,416.966 473.431,418.49 473.431,425.475 475.209,427.253
V_SHIELD on BOTTOM " " (solid, shelved, pour order 84): 461.88,422.508 462.499,422.508 463.016,421.99 463.016,417.497 457.799,412.28 457.111,412.28 456.624,412.767 456.624,413.307 457.038,413.721 457.377,413.721 461.285,417.629 461.285,421.913 461.88,422.508
V_SHIELD on BOTTOM (solid, pour order 78): 255 vertices, not listed, extent 446.888,393.217 454.762,409.6
N30057609 on BOTTOM (solid, pour order 68): 464.541,400.71 464.795,400.964 469.494,400.964 472.161,398.297 472.161,396.773 471.78,396.392 466.319,396.392 464.541,398.17 464.541,400.71
5V on BOTTOM (solid, pour order 56): 461.012,400.229 460.039,401.202 460.039,407.272 460.489,407.722 461.393,407.722 463.039,406.076 463.039,402.266 463.425,401.88 463.425,401.424 463.335,401.335 463.335,400.648 462.917,400.229 461.012,400.229
5V on BOTTOM (solid, pour order 52): 420.753,396.038 422.531,396.038 422.785,395.784 422.785,395.149 422.023,394.387 421.134,394.387 420.499,395.022 420.499,395.784 420.753,396.038
5V on BOTTOM (solid, pour order 50): 476.528,405.742 479.345,405.742 485.265,399.822 485.265,394.898 484.978,394.611 483.882,394.611 483.46,395.033 483.46,398.524 483.73,398.794 483.73,399.569 481.251,402.049 477.034,402.049 476.174,402.909 476.174,405.388 476.528,405.742
V_3P30 on BOTTOM (solid, pour order 48): 445 vertices, not listed, extent 384.404,393.498 489.333,432.841
V_SYS on BOTTOM (solid, pour order 44): 617 vertices, not listed, extent 393.702,392.201 419.61,423.316
N30126899 on BOTTOM (solid, pour order 36): 33 vertices, not listed, extent 389.918,375.945 392.913,382.549
V_1P80_IO on BOTTOM (solid, pour order 28): 215 vertices, not listed, extent 391.289,410.77 437.898,426.391
V_1P80_IO on BOTTOM (solid, pour order 24): 31 vertices, not listed, extent 438.533,387.529 443.105,389.942
4.38V on BOTTOM (solid, pour order 14): 65 vertices, not listed, extent 414.736,394.133 423.166,405.563
GND on PWR_GND (solid, pour order 114): 1505 vertices, not listed, extent 373.266,364.795 493.672,432.804
VBUS on PWR_GND (solid, pour order 92): 908 vertices, not listed, extent 387.353,362.61 493.624,404.039
V_SHIELD on PWR_GND " " (solid, shelved, pour order 82): 409 vertices, not listed, extent 400.052,402.007 436.628,419.787
V_SHIELD on PWR_GND " " (solid, shelved, pour order 72): 283 vertices, not listed, extent 431.954,392.122 457.545,398.17
VIN on PWR_GND (solid, pour order 66): 468.859,423.316 468.859,418.363 445.999,418.363 445.364,418.998 445.364,423.316 468.859,423.316
V_SHIELD_SW on PWR_GND " " (solid, shelved, pour order 60): 1204 vertices, not listed, extent 429.108,378.485 464.822,408.711
V_1P80 on PWR_GND (solid, pour order 46): 750 vertices, not listed, extent 383.261,374.167 483.704,426.264
N30126899 on PWR_GND (solid, pour order 38): 393.956,399.213 393.956,382.068 393.675,381.787 392.532,381.787 392.278,382.041 392.278,392.763 390.908,394.133 390.908,399.34 391.389,399.821 393.348,399.821 393.956,399.213
V_1P80_IO on PWR_GND " " (solid, shelved, pour order 30): 1037 vertices, not listed, extent 391.289,387.275 443.232,414.834
V_SHLD_IO on PWR_GND " " (solid, shelved, pour order 22): 1177 vertices, not listed, extent 392.965,388.545 457.689,410.77
VBUS_OUT on PWR_GND (solid, pour order 16): 1990 vertices, not listed, extent 395.48,366.574 486.412,406.579
GND on GND (solid, pour order 112): 652 vertices, not listed, extent 373.266,362.608 493.672,432.804
V_SHIELD on GND " " (solid, shelved, pour order 74): 208 vertices, not listed, extent 435.204,399.932 450.571,403.048
no net on FAB_PANEL " " (solid, shelved): 220.656,281.941 220.362,281.343 218.714,282.524 220.656,281.941
no net on FAB_PANEL " " (solid, shelved): 223.001,288.616 223.413,288.092 221.635,287.117 223.001,288.616
no net on FAB_PANEL " " (solid, shelved): 237.318,218.329 237.318,217.663 235.318,217.996 237.318,218.329
no net on FAB_PANEL " " (solid, shelved): 255.478,218.329 255.478,217.663 257.478,217.996 255.478,218.329
no net on FAB_PANEL " " (solid, shelved): 220.247,199.926 220.914,199.926 220.581,197.926 220.247,199.926
no net on FAB_PANEL " " (solid, shelved): 220.247,206.086 220.914,206.086 220.581,208.086 220.247,206.086
no net on FAB_PANEL (solid): 327.063,293.591 327.063,292.924 325.063,293.257 327.063,293.591
no net on FAB_PANEL (solid): 570.053,293.591 570.053,292.924 572.053,293.257 570.053,293.591
no net on FAB_PANEL (solid): 311.432,277.692 312.099,277.692 311.766,279.692 311.432,277.692
no net on FAB_PANEL (solid): 311.432,112.504 312.099,112.504 311.766,110.504 311.432,112.504
no net on FAB_PANEL (solid): 332.063,104.704 332.063,104.037 330.063,104.37 332.063,104.704
no net on FAB_PANEL (solid): 339.063,104.704 339.063,104.037 341.063,104.37 339.063,104.704
no net on FAB_PANEL (solid): 332.063,283.499 332.063,282.832 330.063,283.166 332.063,283.499
no net on FAB_PANEL (solid): 336.063,283.499 336.063,282.832 338.063,283.166 336.063,283.499
no net on FAB_PANEL (solid): 572.682,280.147 573.109,279.634 571.358,278.611 572.682,280.147
no net on FAB_PANEL (solid): 570.381,273.484 570.096,272.881 568.431,274.039 570.381,273.484
no net on FAB_PANEL (solid): 327.063,286.964 327.063,286.297 325.063,286.63 327.063,286.964
no net on FAB_PANEL (solid): 328.063,286.964 328.063,286.297 330.063,286.63 328.063,286.964
no net on FAB_PANEL (solid): 318.811,277.692 319.478,277.692 319.145,279.692 318.811,277.692
no net on FAB_PANEL (solid): 318.811,276.692 319.478,276.692 319.145,274.692 318.811,276.692
no net on FAB_PANEL (solid): 565.053,283.499 565.053,282.832 567.053,283.166 565.053,283.499
no net on FAB_PANEL (solid): 561.053,283.499 561.053,282.832 559.053,283.166 561.053,283.499
no net on FAB_PANEL (solid): 500.182,112.074 499.897,111.471 498.232,112.629 500.182,112.074
no net on FAB_PANEL (solid): 501.897,278.471 502.182,279.074 503.847,277.916 501.897,278.471
no net on VIA_PLUG_TOP (solid): 442.016,426.288 ccw(c441.808,426.288) 441.808,426.497 ccw(c441.808,426.288) 441.599,426.288 ccw(c441.808,426.288) 441.808,426.08 ccw(c441.808,426.288) 442.016,426.288
no net on VIA_PLUG_TOP (solid): 442.778,427.05 ccw(c442.57,427.05) 442.57,427.259 ccw(c442.57,427.05) 442.361,427.05 ccw(c442.57,427.05) 442.57,426.842 ccw(c442.57,427.05) 442.778,427.05
no net on VIA_PLUG_TOP (solid): 442.016,427.812 ccw(c441.808,427.812) 441.808,428.021 ccw(c441.808,427.812) 441.599,427.812 ccw(c441.808,427.812) 441.808,427.604 ccw(c441.808,427.812) 442.016,427.812
no net on VIA_PLUG_TOP (solid): 443.54,426.288 ccw(c443.332,426.288) 443.332,426.497 ccw(c443.332,426.288) 443.123,426.288 ccw(c443.332,426.288) 443.332,426.08 ccw(c443.332,426.288) 443.54,426.288
no net on VIA_PLUG_TOP (solid): 443.54,427.812 ccw(c443.332,427.812) 443.332,428.021 ccw(c443.332,427.812) 443.123,427.812 ccw(c443.332,427.812) 443.332,427.604 ccw(c443.332,427.812) 443.54,427.812
no net on VIA_PLUG_TOP (solid): 506.405,381.33 ccw(c506.197,381.33) 506.197,381.539 ccw(c506.197,381.33) 505.988,381.33 ccw(c506.197,381.33) 506.197,381.122 ccw(c506.197,381.33) 506.405,381.33
no net on VIA_PLUG_TOP (solid): 504.627,383.362 ccw(c504.419,383.362) 504.419,383.571 ccw(c504.419,383.362) 504.21,383.362 ccw(c504.419,383.362) 504.419,383.154 ccw(c504.419,383.362) 504.627,383.362
no net on VIA_PLUG_TOP (solid): 505.897,383.362 ccw(c505.689,383.362) 505.689,383.571 ccw(c505.689,383.362) 505.48,383.362 ccw(c505.689,383.362) 505.689,383.154 ccw(c505.689,383.362) 505.897,383.362
no net on VIA_PLUG_TOP (solid): 505.897,382.092 ccw(c505.689,382.092) 505.689,382.301 ccw(c505.689,382.092) 505.48,382.092 ccw(c505.689,382.092) 505.689,381.884 ccw(c505.689,382.092) 505.897,382.092
no net on VIA_PLUG_TOP (solid): 504.627,382.092 ccw(c504.419,382.092) 504.419,382.301 ccw(c504.419,382.092) 504.21,382.092 ccw(c504.419,382.092) 504.419,381.884 ccw(c504.419,382.092) 504.627,382.092
no net on VIA_PLUG_TOP (solid): 503.357,382.092 ccw(c503.149,382.092) 503.149,382.301 ccw(c503.149,382.092) 502.94,382.092 ccw(c503.149,382.092) 503.149,381.884 ccw(c503.149,382.092) 503.357,382.092
no net on VIA_PLUG_TOP (solid): 503.357,383.362 ccw(c503.149,383.362) 503.149,383.571 ccw(c503.149,383.362) 502.94,383.362 ccw(c503.149,383.362) 503.149,383.154 ccw(c503.149,383.362) 503.357,383.362
no net on VIA_PLUG_TOP (solid): 505.897,384.632 ccw(c505.689,384.632) 505.689,384.841 ccw(c505.689,384.632) 505.48,384.632 ccw(c505.689,384.632) 505.689,384.424 ccw(c505.689,384.632) 505.897,384.632
no net on VIA_PLUG_TOP (solid): 504.627,384.632 ccw(c504.419,384.632) 504.419,384.841 ccw(c504.419,384.632) 504.21,384.632 ccw(c504.419,384.632) 504.419,384.424 ccw(c504.419,384.632) 504.627,384.632
no net on VIA_PLUG_TOP (solid): 503.357,384.632 ccw(c503.149,384.632) 503.149,384.841 ccw(c503.149,384.632) 502.94,384.632 ccw(c503.149,384.632) 503.149,384.424 ccw(c503.149,384.632) 503.357,384.632
no net on VIA_PLUG_TOP (solid): 503.255,410.642 ccw(c503.047,410.642) 503.047,410.85 ccw(c503.047,410.642) 502.839,410.642 ccw(c503.047,410.642) 503.047,410.433 ccw(c503.047,410.642) 503.255,410.642
no net on VIA_PLUG_TOP (solid): 504.475,410.642 ccw(c504.266,410.642) 504.266,410.85 ccw(c504.266,410.642) 504.058,410.642 ccw(c504.266,410.642) 504.266,410.433 ccw(c504.266,410.642) 504.475,410.642
no net on VIA_PLUG_TOP (solid): 504.475,411.709 ccw(c504.266,411.709) 504.266,411.917 ccw(c504.266,411.709) 504.058,411.709 ccw(c504.266,411.709) 504.266,411.5 ccw(c504.266,411.709) 504.475,411.709
no net on VIA_PLUG_TOP (solid): 503.255,411.709 ccw(c503.047,411.709) 503.047,411.917 ccw(c503.047,411.709) 502.839,411.709 ccw(c503.047,411.709) 503.047,411.5 ccw(c503.047,411.709) 503.255,411.709
no net on VIA_PLUG_TOP (solid): 505.516,415.874 ccw(c505.308,415.874) 505.308,416.083 ccw(c505.308,415.874) 505.099,415.874 ccw(c505.308,415.874) 505.308,415.666 ccw(c505.308,415.874) 505.516,415.874
no net on VIA_PLUG_TOP (solid): 506.786,415.874 ccw(c506.578,415.874) 506.578,416.083 ccw(c506.578,415.874) 506.369,415.874 ccw(c506.578,415.874) 506.578,415.666 ccw(c506.578,415.874) 506.786,415.874
no net on VIA_PLUG_TOP (solid): 506.151,416.509 ccw(c505.943,416.509) 505.943,416.718 ccw(c505.943,416.509) 505.734,416.509 ccw(c505.943,416.509) 505.943,416.301 ccw(c505.943,416.509) 506.151,416.509
no net on VIA_PLUG_TOP (solid): 506.786,417.144 ccw(c506.578,417.144) 506.578,417.353 ccw(c506.578,417.144) 506.369,417.144 ccw(c506.578,417.144) 506.578,416.936 ccw(c506.578,417.144) 506.786,417.144
no net on VIA_PLUG_TOP (solid): 505.516,417.144 ccw(c505.308,417.144) 505.308,417.353 ccw(c505.308,417.144) 505.099,417.144 ccw(c505.308,417.144) 505.308,416.936 ccw(c505.308,417.144) 505.516,417.144
no net on VIA_PLUG_TOP (solid): 506.786,422.097 ccw(c506.578,422.097) 506.578,422.306 ccw(c506.578,422.097) 506.369,422.097 ccw(c506.578,422.097) 506.578,421.889 ccw(c506.578,422.097) 506.786,422.097
no net on VIA_PLUG_TOP (solid): 505.516,422.097 ccw(c505.308,422.097) 505.308,422.306 ccw(c505.308,422.097) 505.099,422.097 ccw(c505.308,422.097) 505.308,421.889 ccw(c505.308,422.097) 505.516,422.097
no net on VIA_PLUG_TOP (solid): 506.151,422.732 ccw(c505.943,422.732) 505.943,422.941 ccw(c505.943,422.732) 505.734,422.732 ccw(c505.943,422.732) 505.943,422.524 ccw(c505.943,422.732) 506.151,422.732
no net on VIA_PLUG_TOP (solid): 506.786,423.367 ccw(c506.578,423.367) 506.578,423.576 ccw(c506.578,423.367) 506.369,423.367 ccw(c506.578,423.367) 506.578,423.159 ccw(c506.578,423.367) 506.786,423.367
no net on VIA_PLUG_TOP (solid): 505.516,423.367 ccw(c505.308,423.367) 505.308,423.576 ccw(c505.308,423.367) 505.099,423.367 ccw(c505.308,423.367) 505.308,423.159 ccw(c505.308,423.367) 505.516,423.367
no net on VIA_PLUG_TOP (solid): 510.596,401.65 ccw(c510.388,401.65) 510.388,401.859 ccw(c510.388,401.65) 510.179,401.65 ccw(c510.388,401.65) 510.388,401.442 ccw(c510.388,401.65) 510.596,401.65
no net on VIA_PLUG_TOP (solid): 509.326,401.65 ccw(c509.118,401.65) 509.118,401.859 ccw(c509.118,401.65) 508.909,401.65 ccw(c509.118,401.65) 509.118,401.442 ccw(c509.118,401.65) 509.326,401.65
no net on VIA_PLUG_TOP (solid): 509.961,402.793 ccw(c509.753,402.793) 509.753,403.002 ccw(c509.753,402.793) 509.544,402.793 ccw(c509.753,402.793) 509.753,402.585 ccw(c509.753,402.793) 509.961,402.793
no net on VIA_PLUG_TOP (solid): 510.596,403.936 ccw(c510.388,403.936) 510.388,404.145 ccw(c510.388,403.936) 510.179,403.936 ccw(c510.388,403.936) 510.388,403.728 ccw(c510.388,403.936) 510.596,403.936
no net on VIA_PLUG_TOP (solid): 509.326,403.936 ccw(c509.118,403.936) 509.118,404.145 ccw(c509.118,403.936) 508.909,403.936 ccw(c509.118,403.936) 509.118,403.728 ccw(c509.118,403.936) 509.326,403.936
no net on VIA_PLUG_TOP (solid): 509.707,410.667 ccw(c509.499,410.667) 509.499,410.876 ccw(c509.499,410.667) 509.29,410.667 ccw(c509.499,410.667) 509.499,410.459 ccw(c509.499,410.667) 509.707,410.667
no net on VIA_PLUG_TOP (solid): 508.818,411.048 ccw(c508.61,411.048) 508.61,411.257 ccw(c508.61,411.048) 508.401,411.048 ccw(c508.61,411.048) 508.61,410.84 ccw(c508.61,411.048) 508.818,411.048
no net on VIA_PLUG_TOP (solid): 510.342,410.667 ccw(c510.134,410.667) 510.134,410.876 ccw(c510.134,410.667) 509.925,410.667 ccw(c510.134,410.667) 510.134,410.459 ccw(c510.134,410.667) 510.342,410.667
no net on VIA_PLUG_TOP (solid): 510.342,411.81 ccw(c510.134,411.81) 510.134,412.019 ccw(c510.134,411.81) 509.925,411.81 ccw(c510.134,411.81) 510.134,411.602 ccw(c510.134,411.81) 510.342,411.81
no net on VIA_PLUG_TOP (solid): 509.58,411.81 ccw(c509.372,411.81) 509.372,412.019 ccw(c509.372,411.81) 509.163,411.81 ccw(c509.372,411.81) 509.372,411.602 ccw(c509.372,411.81) 509.58,411.81
no net on VIA_PLUG_TOP (solid): 508.818,411.81 ccw(c508.61,411.81) 508.61,412.019 ccw(c508.61,411.81) 508.401,411.81 ccw(c508.61,411.81) 508.61,411.602 ccw(c508.61,411.81) 508.818,411.81

## Text inside footprints (layer, text, board x,y; h text height)
C55: CONSTRUCTION "REV5" at 421.261,408.865 h1.02 r180; CONSTRUCTION "BODY" at 430.595,418.517 h1.02 r270; CONSTRUCTION "02-13-03" at 434.405,416.803 h1.02 r270; CONSTRUCTION "NODFM" at 436.12,416.803 h1.02 r270; CONSTRUCTION "SMC0805" at 437.834,416.866 h1.02 r270; CONSTRUCTION "1.47" at 428.944,416.104 h1.02 r270; CONSTRUCTION "PD" at 434.405,405.881 h1.02 r270; CONSTRUCTION "BODY" at 427.166,397.816 h1.02; CONSTRUCTION "R50X60" at 411.037,398.578 h1.02 r270; CONSTRUCTION "2.29" at 409.831,416.168 h1.02; CONSTRUCTION "2.24" at 429.452,396.102 h1.02; CONSTRUCTION "2" at 417.959,407.214 h0.64 r270; CONSTRUCTION "1" at 420.245,407.214 h0.64 r270
C56: CONSTRUCTION "MAX" at 482.501,414.728 h1.6 r180; CONSTRUCTION "WIDTH" at 482.961,415.558 h1.6 r180; CONSTRUCTION "1" at 481.099,414.722 h1.6 r180; CONSTRUCTION "2" at 481.099,415.256 h1.6 r180
C57: CONSTRUCTION "MAX" at 472.784,419.034 h1.6 r270; CONSTRUCTION "WIDTH" at 471.954,419.494 h1.6 r270; CONSTRUCTION "1" at 472.149,418.272 h1.6 r270; CONSTRUCTION "2" at 471.616,418.272 h1.6 r270
CR1: CONSTRUCTION "REV 2" at 477.357,408.236 h1.02 r90; CONSTRUCTION "2" at 480.478,405.152 h0.2 r90; CONSTRUCTION "1" at 477.43,405.152 h0.2 r90
CR2: CONSTRUCTION "1" at 468.955,408.731 h1.02; CONSTRUCTION "2" at 468.916,405.213 h1.02; CONSTRUCTION "2" at 470.698,405.718 h0.2; CONSTRUCTION "1" at 470.698,408.768 h0.2; Top Overlay "1" at 468.633,408.122 h1.02; Top Overlay "2" at 468.583,405.772 h1.02
CR6: CONSTRUCTION "1" at 471.85,415.484 h1.02 r180; CONSTRUCTION "2" at 471.89,419.002 h1.02 r180; CONSTRUCTION "2" at 470.757,418.496 h0.2 r180; CONSTRUCTION "1" at 470.757,415.446 h0.2 r180; Top Overlay "1" at 471.433,414.972 h1.02; Top Overlay "2" at 471.433,418.722 h1.02